# KiCad board smd-tht-adapter.kicad_pcb (continued)
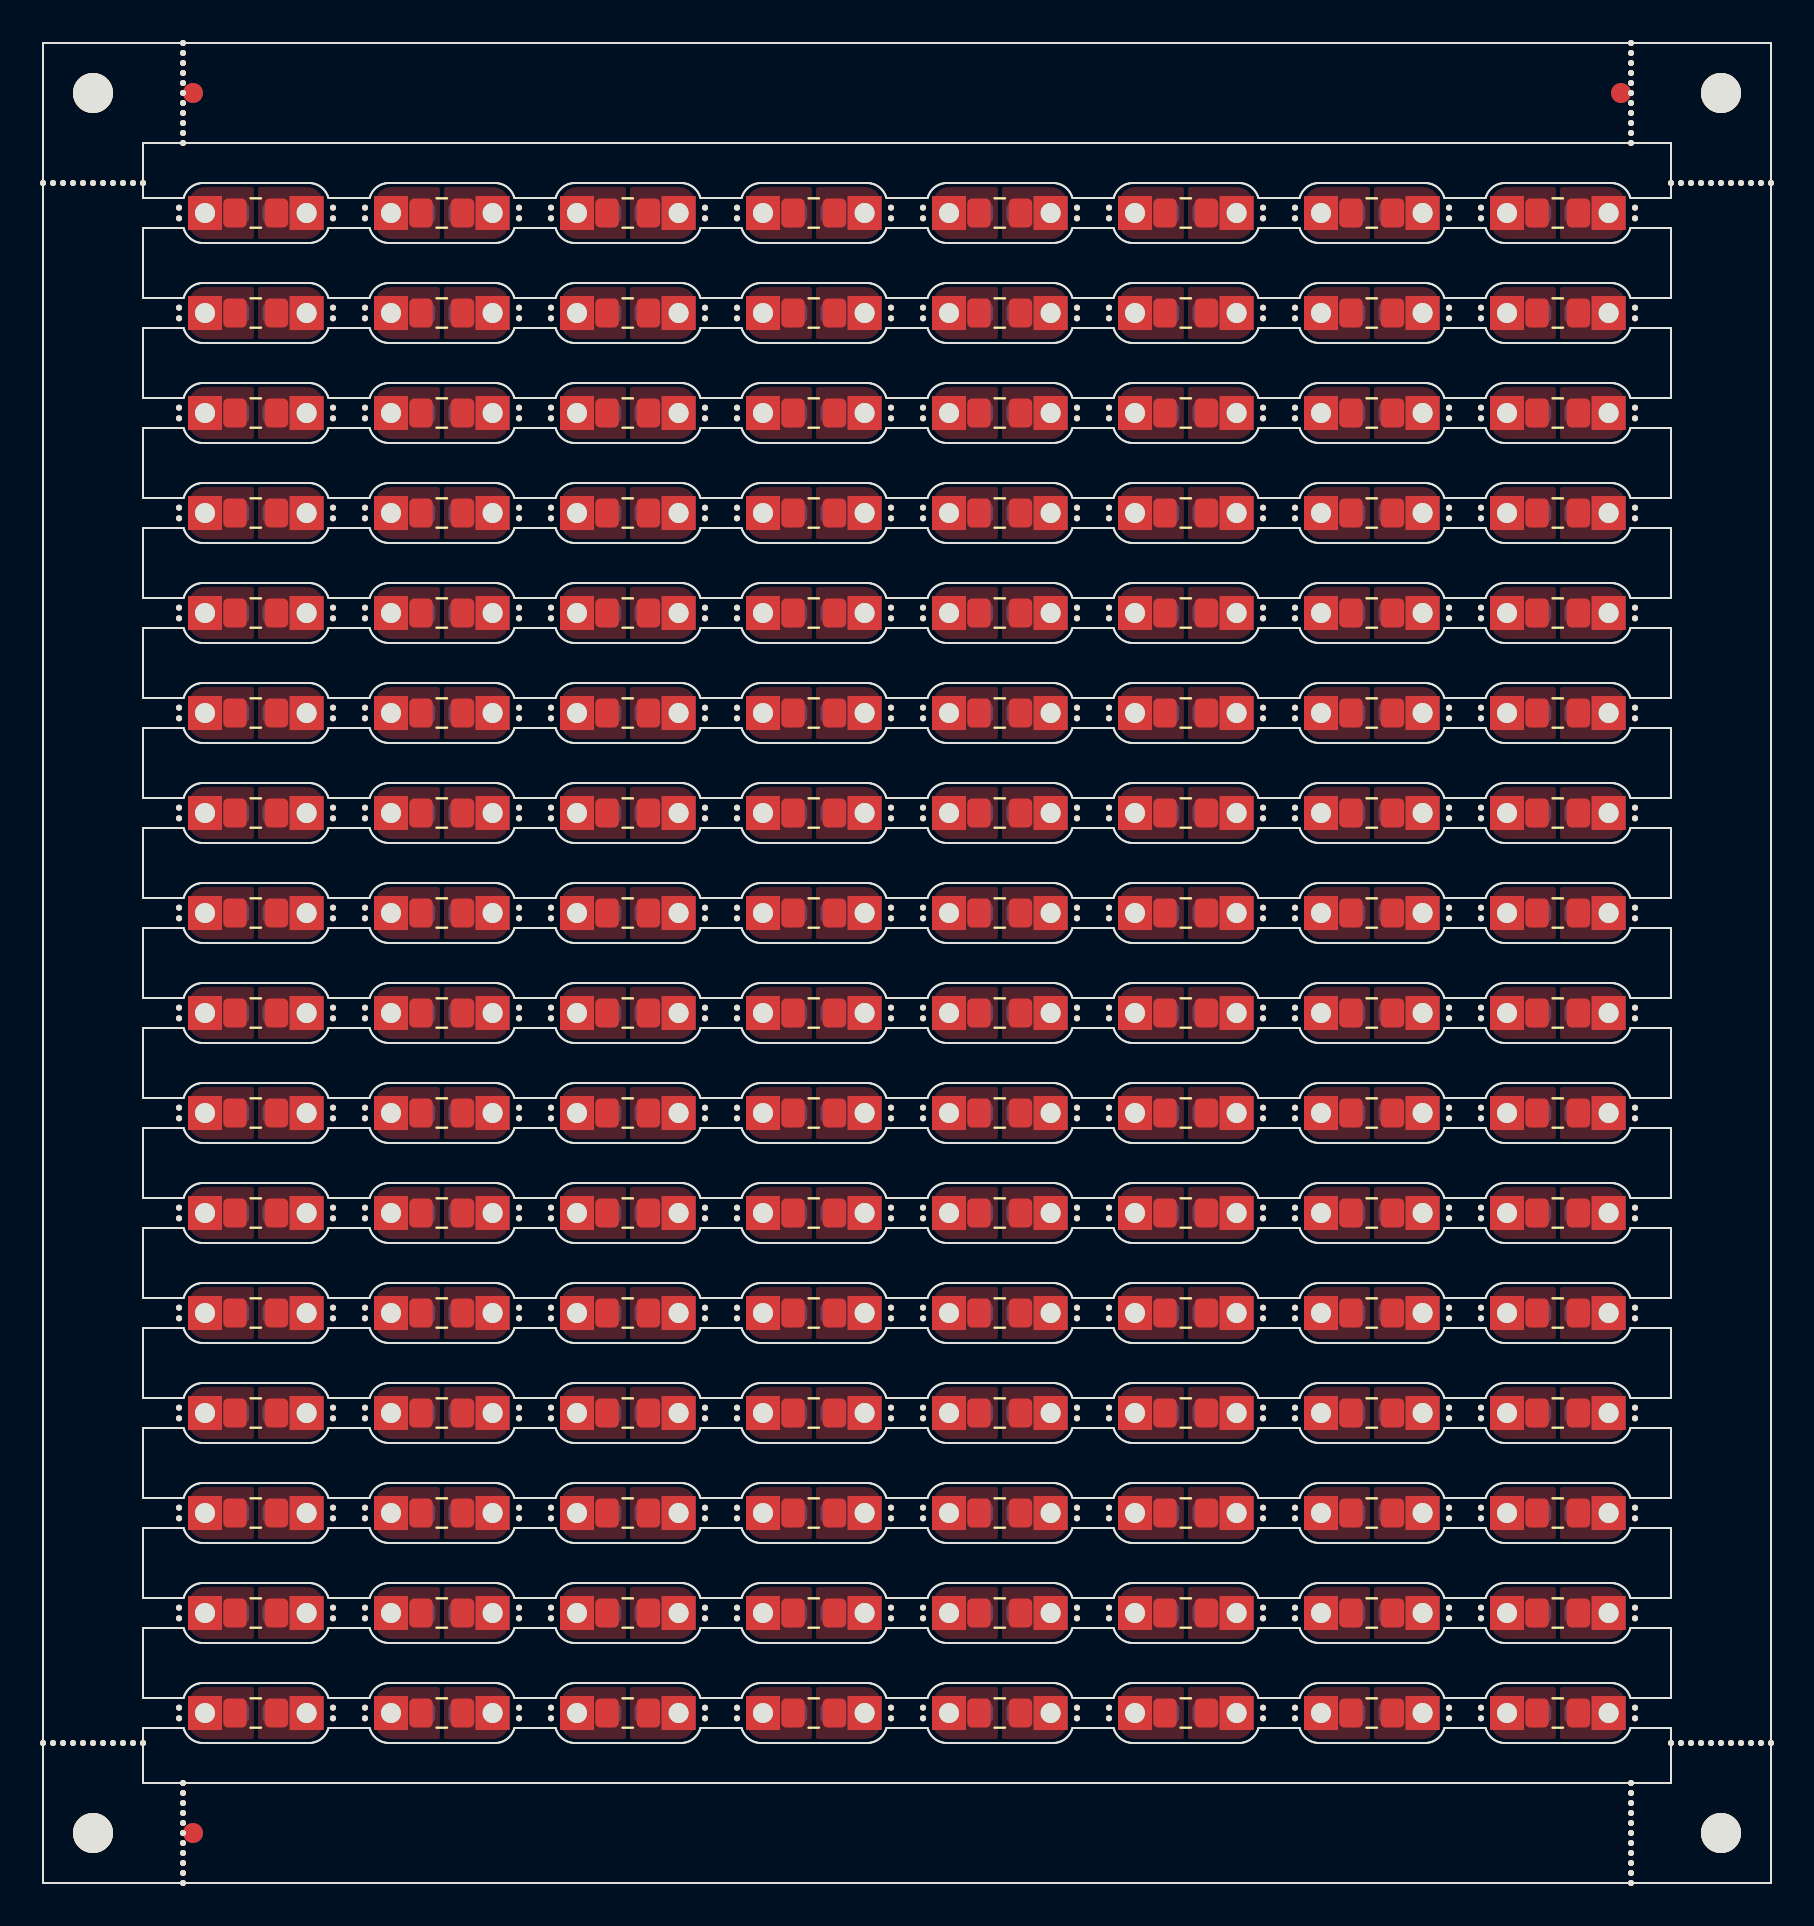
[diagram p0: board, top side]
## Nets (continued)
Board_97-Net-(J1-Pin_1): C1#114.1 C2#67.1 J1#21.1
Board_97-Net-(J2-Pin_1): C1#114.2 C2#67.2 J2#66.1
Board_98-Net-(J1-Pin_1): C1#40.1 C2#55.1 J1#107.1
Board_98-Net-(J2-Pin_1): C1#40.2 C2#55.2 J2#89.1
Board_99-Net-(J1-Pin_1): C1#21.1 C2#86.1 J1#117.1
Board_99-Net-(J2-Pin_1): C1#21.2 C2#86.2 J2#115.1
Board_100-Net-(J1-Pin_1): C1#61.1 C2#5.1 J1#113.1
Board_100-Net-(J2-Pin_1): C1#61.2 C2#5.2 J2#30.1
Board_101-Net-(J1-Pin_1): C1#26.1 C2#42.1 J1#74.1
Board_101-Net-(J2-Pin_1): C1#26.2 C2#42.2 J2#81.1
Board_102-Net-(J1-Pin_1): C1#11.1 C2#116.1 J1#103.1
Board_102-Net-(J2-Pin_1): C1#11.2 C2#116.2 J2#75.1
Board_103-Net-(J1-Pin_1): C1#47.1 C2#87.1 J1#10.1
Board_103-Net-(J2-Pin_1): C1#47.2 C2#87.2 J2#125.1
Board_104-Net-(J1-Pin_1): C1#15.1 C2#117.1 J1#7.1
Board_104-Net-(J2-Pin_1): C1#15.2 C2#117.2 J2#56.1
Board_105-Net-(J1-Pin_1): C1#37.1 C2#14.1 J1#14.1
Board_105-Net-(J2-Pin_1): C1#37.2 C2#14.2 J2#117.1
Board_106-Net-(J1-Pin_1): C1#63.1 C2#19.1 J1#97.1
Board_106-Net-(J2-Pin_1): C1#63.2 C2#19.2 J2#65.1
Board_107-Net-(J1-Pin_1): C1#59.1 C2#66.1 J1#37.1
Board_107-Net-(J2-Pin_1): C1#59.2 C2#66.2 J2#6.1
Board_108-Net-(J1-Pin_1): C1#28.1 C2#107.1 J1#52.1
Board_108-Net-(J2-Pin_1): C1#28.2 C2#107.2 J2#97.1
Board_109-Net-(J1-Pin_1): C1#92.1 C2#109.1 J1#18.1
Board_109-Net-(J2-Pin_1): C1#92.2 C2#109.2 J2#86.1
Board_110-Net-(J1-Pin_1): C1#24.1 C2#37.1 J1#72.1
Board_110-Net-(J2-Pin_1): C1#24.2 C2#37.2 J2#49.1
Board_111-Net-(J1-Pin_1): C1#100.1 C2#56.1 J1.1
Board_111-Net-(J2-Pin_1): C1#100.2 C2#56.2 J2#119.1
Board_112-Net-(J1-Pin_1): C1#22.1 C2#79.1 J1#25.1
Board_112-Net-(J2-Pin_1): C1#22.2 C2#79.2 J2#80.1
Board_113-Net-(J1-Pin_1): C1#42.1 C2#46.1 J1#79.1
Board_113-Net-(J2-Pin_1): C1#42.2 C2#46.2 J2#41.1
Board_114-Net-(J1-Pin_1): C1#93.1 C2#57.1 J1#114.1
Board_114-Net-(J2-Pin_1): C1#93.2 C2#57.2 J2#126.1
Board_115-Net-(J1-Pin_1): C1#64.1 C2#112.1 J1#44.1
Board_115-Net-(J2-Pin_1): C1#64.2 C2#112.2 J2#8.1
Board_116-Net-(J1-Pin_1): C1#78.1 C2#74.1 J1#24.1
Board_116-Net-(J2-Pin_1): C1#78.2 C2#74.2 J2#83.1
Board_117-Net-(J1-Pin_1): C1#102.1 C2#104.1 J1#67.1
Board_117-Net-(J2-Pin_1): C1#102.2 C2#104.2 J2#70.1
Board_118-Net-(J1-Pin_1): C1#44.1 C2#62.1 J1#63.1
Board_118-Net-(J2-Pin_1): C1#44.2 C2#62.2 J2#121.1
Board_119-Net-(J1-Pin_1): C1#105.1 C2#128.1 J1#61.1
Board_119-Net-(J2-Pin_1): C1#105.2 C2#128.2 J2#34.1
Board_120-Net-(J1-Pin_1): C1#96.1 C2#84.1 J1#57.1
Board_120-Net-(J2-Pin_1): C1#96.2 C2#84.2 J2#78.1
Board_121-Net-(J1-Pin_1): C1#87.1 C2#44.1 J1#90.1
Board_121-Net-(J2-Pin_1): C1#87.2 C2#44.2 J2#50.1
Board_122-Net-(J1-Pin_1): C1#89.1 C2#25.1 J1#88.1
Board_122-Net-(J2-Pin_1): C1#89.2 C2#25.2 J2#7.1
Board_123-Net-(J1-Pin_1): C1#79.1 C2#65.1 J1#27.1
Board_123-Net-(J2-Pin_1): C1#79.2 C2#65.2 J2#82.1
Board_124-Net-(J1-Pin_1): C1#113.1 C2#103.1 J1#104.1
Board_124-Net-(J2-Pin_1): C1#113.2 C2#103.2 J2#91.1
Board_125-Net-(J1-Pin_1): C1#124.1 C2#123.1 J1#126.1
Board_125-Net-(J2-Pin_1): C1#124.2 C2#123.2 J2#2.1
Board_126-Net-(J1-Pin_1): C1#68.1 C2#88.1 J1#42.1
Board_126-Net-(J2-Pin_1): C1#68.2 C2#88.2 J2#57.1
Board_127-Net-(J1-Pin_1): C1#112.1 C2#72.1 J1#95.1
Board_127-Net-(J2-Pin_1): C1#112.2 C2#72.2 J2#22.1

## Copper pours and planes (outline as drawn; the poured copper is in the pictures)
Board_0-Net-(J1-Pin_1) on Top, Bottom: 10.55,85.4 10.55,81.6 6.6,81.6 6.6,85.4
Board_0-Net-(J2-Pin_1) on Top, Bottom: 10.75,81.6 10.75,85.4 14.7,85.4 14.7,81.6
Board_1-Net-(J1-Pin_1) on Top, Bottom: 19.85,85.4 19.85,81.6 15.9,81.6 15.9,85.4
Board_1-Net-(J2-Pin_1) on Top, Bottom: 20.05,81.6 20.05,85.4 24,85.4 24,81.6
Board_2-Net-(J1-Pin_1) on Top, Bottom: 29.15,85.4 29.15,81.6 25.2,81.6 25.2,85.4
Board_2-Net-(J2-Pin_1) on Top, Bottom: 29.35,81.6 29.35,85.4 33.3,85.4 33.3,81.6
Board_3-Net-(J1-Pin_1) on Top, Bottom: 38.45,85.4 38.45,81.6 34.5,81.6 34.5,85.4
Board_3-Net-(J2-Pin_1) on Top, Bottom: 38.65,81.6 38.65,85.4 42.6,85.4 42.6,81.6
Board_4-Net-(J1-Pin_1) on Top, Bottom: 47.75,85.4 47.75,81.6 43.8,81.6 43.8,85.4
Board_4-Net-(J2-Pin_1) on Top, Bottom: 47.95,81.6 47.95,85.4 51.9,85.4 51.9,81.6
Board_5-Net-(J1-Pin_1) on Top, Bottom: 57.05,85.4 57.05,81.6 53.1,81.6 53.1,85.4
Board_5-Net-(J2-Pin_1) on Top, Bottom: 57.25,81.6 57.25,85.4 61.2,85.4 61.2,81.6
Board_6-Net-(J1-Pin_1) on Top, Bottom: 66.35,85.4 66.35,81.6 62.4,81.6 62.4,85.4
Board_6-Net-(J2-Pin_1) on Top, Bottom: 66.55,81.6 66.55,85.4 70.5,85.4 70.5,81.6
Board_7-Net-(J1-Pin_1) on Top, Bottom: 75.65,85.4 75.65,81.6 71.7,81.6 71.7,85.4
Board_7-Net-(J2-Pin_1) on Top, Bottom: 75.85,81.6 75.85,85.4 79.8,85.4 79.8,81.6
Board_8-Net-(J1-Pin_1) on Top, Bottom: 10.55,80.4 10.55,76.6 6.6,76.6 6.6,80.4
Board_8-Net-(J2-Pin_1) on Top, Bottom: 10.75,76.6 10.75,80.4 14.7,80.4 14.7,76.6
Board_9-Net-(J1-Pin_1) on Top, Bottom: 19.85,80.4 19.85,76.6 15.9,76.6 15.9,80.4
Board_9-Net-(J2-Pin_1) on Top, Bottom: 20.05,76.6 20.05,80.4 24,80.4 24,76.6
Board_10-Net-(J1-Pin_1) on Top, Bottom: 29.15,80.4 29.15,76.6 25.2,76.6 25.2,80.4
Board_10-Net-(J2-Pin_1) on Top, Bottom: 29.35,76.6 29.35,80.4 33.3,80.4 33.3,76.6
Board_11-Net-(J1-Pin_1) on Top, Bottom: 38.45,80.4 38.45,76.6 34.5,76.6 34.5,80.4
Board_11-Net-(J2-Pin_1) on Top, Bottom: 38.65,76.6 38.65,80.4 42.6,80.4 42.6,76.6
Board_12-Net-(J1-Pin_1) on Top, Bottom: 47.75,80.4 47.75,76.6 43.8,76.6 43.8,80.4
Board_12-Net-(J2-Pin_1) on Top, Bottom: 47.95,76.6 47.95,80.4 51.9,80.4 51.9,76.6
Board_13-Net-(J1-Pin_1) on Top, Bottom: 57.05,80.4 57.05,76.6 53.1,76.6 53.1,80.4
Board_13-Net-(J2-Pin_1) on Top, Bottom: 57.25,76.6 57.25,80.4 61.2,80.4 61.2,76.6
Board_14-Net-(J1-Pin_1) on Top, Bottom: 66.35,80.4 66.35,76.6 62.4,76.6 62.4,80.4
Board_14-Net-(J2-Pin_1) on Top, Bottom: 66.55,76.6 66.55,80.4 70.5,80.4 70.5,76.6
Board_15-Net-(J1-Pin_1) on Top, Bottom: 75.65,80.4 75.65,76.6 71.7,76.6 71.7,80.4
Board_15-Net-(J2-Pin_1) on Top, Bottom: 75.85,76.6 75.85,80.4 79.8,80.4 79.8,76.6
Board_16-Net-(J1-Pin_1) on Top, Bottom: 10.55,75.4 10.55,71.6 6.6,71.6 6.6,75.4
Board_16-Net-(J2-Pin_1) on Top, Bottom: 10.75,71.6 10.75,75.4 14.7,75.4 14.7,71.6
Board_17-Net-(J1-Pin_1) on Top, Bottom: 19.85,75.4 19.85,71.6 15.9,71.6 15.9,75.4
Board_17-Net-(J2-Pin_1) on Top, Bottom: 20.05,71.6 20.05,75.4 24,75.4 24,71.6
Board_18-Net-(J1-Pin_1) on Top, Bottom: 29.15,75.4 29.15,71.6 25.2,71.6 25.2,75.4
Board_18-Net-(J2-Pin_1) on Top, Bottom: 29.35,71.6 29.35,75.4 33.3,75.4 33.3,71.6
Board_19-Net-(J1-Pin_1) on Top, Bottom: 38.45,75.4 38.45,71.6 34.5,71.6 34.5,75.4
Board_19-Net-(J2-Pin_1) on Top, Bottom: 38.65,71.6 38.65,75.4 42.6,75.4 42.6,71.6
Board_20-Net-(J1-Pin_1) on Top, Bottom: 47.75,75.4 47.75,71.6 43.8,71.6 43.8,75.4
Board_20-Net-(J2-Pin_1) on Top, Bottom: 47.95,71.6 47.95,75.4 51.9,75.4 51.9,71.6
Board_21-Net-(J1-Pin_1) on Top, Bottom: 57.05,75.4 57.05,71.6 53.1,71.6 53.1,75.4
Board_21-Net-(J2-Pin_1) on Top, Bottom: 57.25,71.6 57.25,75.4 61.2,75.4 61.2,71.6
Board_22-Net-(J1-Pin_1) on Top, Bottom: 66.35,75.4 66.35,71.6 62.4,71.6 62.4,75.4
Board_22-Net-(J2-Pin_1) on Top, Bottom: 66.55,71.6 66.55,75.4 70.5,75.4 70.5,71.6
Board_23-Net-(J1-Pin_1) on Top, Bottom: 75.65,75.4 75.65,71.6 71.7,71.6 71.7,75.4
Board_23-Net-(J2-Pin_1) on Top, Bottom: 75.85,71.6 75.85,75.4 79.8,75.4 79.8,71.6
Board_24-Net-(J1-Pin_1) on Top, Bottom: 10.55,70.4 10.55,66.6 6.6,66.6 6.6,70.4
Board_24-Net-(J2-Pin_1) on Top, Bottom: 10.75,66.6 10.75,70.4 14.7,70.4 14.7,66.6
Board_25-Net-(J1-Pin_1) on Top, Bottom: 19.85,70.4 19.85,66.6 15.9,66.6 15.9,70.4
Board_25-Net-(J2-Pin_1) on Top, Bottom: 20.05,66.6 20.05,70.4 24,70.4 24,66.6
Board_26-Net-(J1-Pin_1) on Top, Bottom: 29.15,70.4 29.15,66.6 25.2,66.6 25.2,70.4
Board_26-Net-(J2-Pin_1) on Top, Bottom: 29.35,66.6 29.35,70.4 33.3,70.4 33.3,66.6
Board_27-Net-(J1-Pin_1) on Top, Bottom: 38.45,70.4 38.45,66.6 34.5,66.6 34.5,70.4
Board_27-Net-(J2-Pin_1) on Top, Bottom: 38.65,66.6 38.65,70.4 42.6,70.4 42.6,66.6
Board_28-Net-(J1-Pin_1) on Top, Bottom: 47.75,70.4 47.75,66.6 43.8,66.6 43.8,70.4
Board_28-Net-(J2-Pin_1) on Top, Bottom: 47.95,66.6 47.95,70.4 51.9,70.4 51.9,66.6
Board_29-Net-(J1-Pin_1) on Top, Bottom: 57.05,70.4 57.05,66.6 53.1,66.6 53.1,70.4
Board_29-Net-(J2-Pin_1) on Top, Bottom: 57.25,66.6 57.25,70.4 61.2,70.4 61.2,66.6
Board_30-Net-(J1-Pin_1) on Top, Bottom: 66.35,70.4 66.35,66.6 62.4,66.6 62.4,70.4
Board_30-Net-(J2-Pin_1) on Top, Bottom: 66.55,66.6 66.55,70.4 70.5,70.4 70.5,66.6
Board_31-Net-(J1-Pin_1) on Top, Bottom: 75.65,70.4 75.65,66.6 71.7,66.6 71.7,70.4
Board_31-Net-(J2-Pin_1) on Top, Bottom: 75.85,66.6 75.85,70.4 79.8,70.4 79.8,66.6
Board_32-Net-(J1-Pin_1) on Top, Bottom: 10.55,65.4 10.55,61.6 6.6,61.6 6.6,65.4
Board_32-Net-(J2-Pin_1) on Top, Bottom: 10.75,61.6 10.75,65.4 14.7,65.4 14.7,61.6
Board_33-Net-(J1-Pin_1) on Top, Bottom: 19.85,65.4 19.85,61.6 15.9,61.6 15.9,65.4
Board_33-Net-(J2-Pin_1) on Top, Bottom: 20.05,61.6 20.05,65.4 24,65.4 24,61.6
Board_34-Net-(J1-Pin_1) on Top, Bottom: 29.15,65.4 29.15,61.6 25.2,61.6 25.2,65.4
Board_34-Net-(J2-Pin_1) on Top, Bottom: 29.35,61.6 29.35,65.4 33.3,65.4 33.3,61.6
Board_35-Net-(J1-Pin_1) on Top, Bottom: 38.45,65.4 38.45,61.6 34.5,61.6 34.5,65.4
Board_35-Net-(J2-Pin_1) on Top, Bottom: 38.65,61.6 38.65,65.4 42.6,65.4 42.6,61.6
Board_36-Net-(J1-Pin_1) on Top, Bottom: 47.75,65.4 47.75,61.6 43.8,61.6 43.8,65.4
Board_36-Net-(J2-Pin_1) on Top, Bottom: 47.95,61.6 47.95,65.4 51.9,65.4 51.9,61.6
Board_37-Net-(J1-Pin_1) on Top, Bottom: 57.05,65.4 57.05,61.6 53.1,61.6 53.1,65.4
Board_37-Net-(J2-Pin_1) on Top, Bottom: 57.25,61.6 57.25,65.4 61.2,65.4 61.2,61.6
Board_38-Net-(J1-Pin_1) on Top, Bottom: 66.35,65.4 66.35,61.6 62.4,61.6 62.4,65.4
Board_38-Net-(J2-Pin_1) on Top, Bottom: 66.55,61.6 66.55,65.4 70.5,65.4 70.5,61.6
Board_39-Net-(J1-Pin_1) on Top, Bottom: 75.65,65.4 75.65,61.6 71.7,61.6 71.7,65.4
Board_39-Net-(J2-Pin_1) on Top, Bottom: 75.85,61.6 75.85,65.4 79.8,65.4 79.8,61.6
Board_40-Net-(J1-Pin_1) on Top, Bottom: 10.55,60.4 10.55,56.6 6.6,56.6 6.6,60.4
Board_40-Net-(J2-Pin_1) on Top, Bottom: 10.75,56.6 10.75,60.4 14.7,60.4 14.7,56.6
Board_41-Net-(J1-Pin_1) on Top, Bottom: 19.85,60.4 19.85,56.6 15.9,56.6 15.9,60.4
Board_41-Net-(J2-Pin_1) on Top, Bottom: 20.05,56.6 20.05,60.4 24,60.4 24,56.6
Board_42-Net-(J1-Pin_1) on Top, Bottom: 29.15,60.4 29.15,56.6 25.2,56.6 25.2,60.4
Board_42-Net-(J2-Pin_1) on Top, Bottom: 29.35,56.6 29.35,60.4 33.3,60.4 33.3,56.6
Board_43-Net-(J1-Pin_1) on Top, Bottom: 38.45,60.4 38.45,56.6 34.5,56.6 34.5,60.4
Board_43-Net-(J2-Pin_1) on Top, Bottom: 38.65,56.6 38.65,60.4 42.6,60.4 42.6,56.6
Board_44-Net-(J1-Pin_1) on Top, Bottom: 47.75,60.4 47.75,56.6 43.8,56.6 43.8,60.4
Board_44-Net-(J2-Pin_1) on Top, Bottom: 47.95,56.6 47.95,60.4 51.9,60.4 51.9,56.6
Board_45-Net-(J1-Pin_1) on Top, Bottom: 57.05,60.4 57.05,56.6 53.1,56.6 53.1,60.4
Board_45-Net-(J2-Pin_1) on Top, Bottom: 57.25,56.6 57.25,60.4 61.2,60.4 61.2,56.6
Board_46-Net-(J1-Pin_1) on Top, Bottom: 66.35,60.4 66.35,56.6 62.4,56.6 62.4,60.4
Board_46-Net-(J2-Pin_1) on Top, Bottom: 66.55,56.6 66.55,60.4 70.5,60.4 70.5,56.6
Board_47-Net-(J1-Pin_1) on Top, Bottom: 75.65,60.4 75.65,56.6 71.7,56.6 71.7,60.4
Board_47-Net-(J2-Pin_1) on Top, Bottom: 75.85,56.6 75.85,60.4 79.8,60.4 79.8,56.6
Board_48-Net-(J1-Pin_1) on Top, Bottom: 10.55,55.4 10.55,51.6 6.6,51.6 6.6,55.4
Board_48-Net-(J2-Pin_1) on Top, Bottom: 10.75,51.6 10.75,55.4 14.7,55.4 14.7,51.6
Board_49-Net-(J1-Pin_1) on Top, Bottom: 19.85,55.4 19.85,51.6 15.9,51.6 15.9,55.4
Board_49-Net-(J2-Pin_1) on Top, Bottom: 20.05,51.6 20.05,55.4 24,55.4 24,51.6
Board_50-Net-(J1-Pin_1) on Top, Bottom: 29.15,55.4 29.15,51.6 25.2,51.6 25.2,55.4
Board_50-Net-(J2-Pin_1) on Top, Bottom: 29.35,51.6 29.35,55.4 33.3,55.4 33.3,51.6
Board_51-Net-(J1-Pin_1) on Top, Bottom: 38.45,55.4 38.45,51.6 34.5,51.6 34.5,55.4
Board_51-Net-(J2-Pin_1) on Top, Bottom: 38.65,51.6 38.65,55.4 42.6,55.4 42.6,51.6
Board_52-Net-(J1-Pin_1) on Top, Bottom: 47.75,55.4 47.75,51.6 43.8,51.6 43.8,55.4
Board_52-Net-(J2-Pin_1) on Top, Bottom: 47.95,51.6 47.95,55.4 51.9,55.4 51.9,51.6
Board_53-Net-(J1-Pin_1) on Top, Bottom: 57.05,55.4 57.05,51.6 53.1,51.6 53.1,55.4
Board_53-Net-(J2-Pin_1) on Top, Bottom: 57.25,51.6 57.25,55.4 61.2,55.4 61.2,51.6
Board_54-Net-(J1-Pin_1) on Top, Bottom: 66.35,55.4 66.35,51.6 62.4,51.6 62.4,55.4
Board_54-Net-(J2-Pin_1) on Top, Bottom: 66.55,51.6 66.55,55.4 70.5,55.4 70.5,51.6
Board_55-Net-(J1-Pin_1) on Top, Bottom: 75.65,55.4 75.65,51.6 71.7,51.6 71.7,55.4
Board_55-Net-(J2-Pin_1) on Top, Bottom: 75.85,51.6 75.85,55.4 79.8,55.4 79.8,51.6
Board_56-Net-(J1-Pin_1) on Top, Bottom: 10.55,50.4 10.55,46.6 6.6,46.6 6.6,50.4
Board_56-Net-(J2-Pin_1) on Top, Bottom: 10.75,46.6 10.75,50.4 14.7,50.4 14.7,46.6
Board_57-Net-(J1-Pin_1) on Top, Bottom: 19.85,50.4 19.85,46.6 15.9,46.6 15.9,50.4
Board_57-Net-(J2-Pin_1) on Top, Bottom: 20.05,46.6 20.05,50.4 24,50.4 24,46.6
Board_58-Net-(J1-Pin_1) on Top, Bottom: 29.15,50.4 29.15,46.6 25.2,46.6 25.2,50.4
Board_58-Net-(J2-Pin_1) on Top, Bottom: 29.35,46.6 29.35,50.4 33.3,50.4 33.3,46.6
Board_59-Net-(J1-Pin_1) on Top, Bottom: 38.45,50.4 38.45,46.6 34.5,46.6 34.5,50.4
Board_59-Net-(J2-Pin_1) on Top, Bottom: 38.65,46.6 38.65,50.4 42.6,50.4 42.6,46.6
Board_60-Net-(J1-Pin_1) on Top, Bottom: 47.75,50.4 47.75,46.6 43.8,46.6 43.8,50.4
Board_60-Net-(J2-Pin_1) on Top, Bottom: 47.95,46.6 47.95,50.4 51.9,50.4 51.9,46.6
Board_61-Net-(J1-Pin_1) on Top, Bottom: 57.05,50.4 57.05,46.6 53.1,46.6 53.1,50.4
Board_61-Net-(J2-Pin_1) on Top, Bottom: 57.25,46.6 57.25,50.4 61.2,50.4 61.2,46.6
Board_62-Net-(J1-Pin_1) on Top, Bottom: 66.35,50.4 66.35,46.6 62.4,46.6 62.4,50.4
Board_62-Net-(J2-Pin_1) on Top, Bottom: 66.55,46.6 66.55,50.4 70.5,50.4 70.5,46.6
Board_63-Net-(J1-Pin_1) on Top, Bottom: 75.65,50.4 75.65,46.6 71.7,46.6 71.7,50.4
Board_63-Net-(J2-Pin_1) on Top, Bottom: 75.85,46.6 75.85,50.4 79.8,50.4 79.8,46.6
Board_64-Net-(J1-Pin_1) on Top, Bottom: 10.55,45.4 10.55,41.6 6.6,41.6 6.6,45.4
Board_64-Net-(J2-Pin_1) on Top, Bottom: 10.75,41.6 10.75,45.4 14.7,45.4 14.7,41.6
Board_65-Net-(J1-Pin_1) on Top, Bottom: 19.85,45.4 19.85,41.6 15.9,41.6 15.9,45.4
Board_65-Net-(J2-Pin_1) on Top, Bottom: 20.05,41.6 20.05,45.4 24,45.4 24,41.6
Board_66-Net-(J1-Pin_1) on Top, Bottom: 29.15,45.4 29.15,41.6 25.2,41.6 25.2,45.4
Board_66-Net-(J2-Pin_1) on Top, Bottom: 29.35,41.6 29.35,45.4 33.3,45.4 33.3,41.6
Board_67-Net-(J1-Pin_1) on Top, Bottom: 38.45,45.4 38.45,41.6 34.5,41.6 34.5,45.4
Board_67-Net-(J2-Pin_1) on Top, Bottom: 38.65,41.6 38.65,45.4 42.6,45.4 42.6,41.6
Board_68-Net-(J1-Pin_1) on Top, Bottom: 47.75,45.4 47.75,41.6 43.8,41.6 43.8,45.4
Board_68-Net-(J2-Pin_1) on Top, Bottom: 47.95,41.6 47.95,45.4 51.9,45.4 51.9,41.6
Board_69-Net-(J1-Pin_1) on Top, Bottom: 57.05,45.4 57.05,41.6 53.1,41.6 53.1,45.4
Board_69-Net-(J2-Pin_1) on Top, Bottom: 57.25,41.6 57.25,45.4 61.2,45.4 61.2,41.6
Board_70-Net-(J1-Pin_1) on Top, Bottom: 66.35,45.4 66.35,41.6 62.4,41.6 62.4,45.4
Board_70-Net-(J2-Pin_1) on Top, Bottom: 66.55,41.6 66.55,45.4 70.5,45.4 70.5,41.6
Board_71-Net-(J1-Pin_1) on Top, Bottom: 75.65,45.4 75.65,41.6 71.7,41.6 71.7,45.4
Board_71-Net-(J2-Pin_1) on Top, Bottom: 75.85,41.6 75.85,45.4 79.8,45.4 79.8,41.6
Board_72-Net-(J1-Pin_1) on Top, Bottom: 10.55,40.4 10.55,36.6 6.6,36.6 6.6,40.4
Board_72-Net-(J2-Pin_1) on Top, Bottom: 10.75,36.6 10.75,40.4 14.7,40.4 14.7,36.6
Board_73-Net-(J1-Pin_1) on Top, Bottom: 19.85,40.4 19.85,36.6 15.9,36.6 15.9,40.4
Board_73-Net-(J2-Pin_1) on Top, Bottom: 20.05,36.6 20.05,40.4 24,40.4 24,36.6
Board_74-Net-(J1-Pin_1) on Top, Bottom: 29.15,40.4 29.15,36.6 25.2,36.6 25.2,40.4
Board_74-Net-(J2-Pin_1) on Top, Bottom: 29.35,36.6 29.35,40.4 33.3,40.4 33.3,36.6
Board_75-Net-(J1-Pin_1) on Top, Bottom: 38.45,40.4 38.45,36.6 34.5,36.6 34.5,40.4
Board_75-Net-(J2-Pin_1) on Top, Bottom: 38.65,36.6 38.65,40.4 42.6,40.4 42.6,36.6
Board_76-Net-(J1-Pin_1) on Top, Bottom: 47.75,40.4 47.75,36.6 43.8,36.6 43.8,40.4
Board_76-Net-(J2-Pin_1) on Top, Bottom: 47.95,36.6 47.95,40.4 51.9,40.4 51.9,36.6
Board_77-Net-(J1-Pin_1) on Top, Bottom: 57.05,40.4 57.05,36.6 53.1,36.6 53.1,40.4
Board_77-Net-(J2-Pin_1) on Top, Bottom: 57.25,36.6 57.25,40.4 61.2,40.4 61.2,36.6
Board_78-Net-(J1-Pin_1) on Top, Bottom: 66.35,40.4 66.35,36.6 62.4,36.6 62.4,40.4
Board_78-Net-(J2-Pin_1) on Top, Bottom: 66.55,36.6 66.55,40.4 70.5,40.4 70.5,36.6
Board_79-Net-(J1-Pin_1) on Top, Bottom: 75.65,40.4 75.65,36.6 71.7,36.6 71.7,40.4
Board_79-Net-(J2-Pin_1) on Top, Bottom: 75.85,36.6 75.85,40.4 79.8,40.4 79.8,36.6
Board_80-Net-(J1-Pin_1) on Top, Bottom: 10.55,35.4 10.55,31.6 6.6,31.6 6.6,35.4
Board_80-Net-(J2-Pin_1) on Top, Bottom: 10.75,31.6 10.75,35.4 14.7,35.4 14.7,31.6
Board_81-Net-(J1-Pin_1) on Top, Bottom: 19.85,35.4 19.85,31.6 15.9,31.6 15.9,35.4
Board_81-Net-(J2-Pin_1) on Top, Bottom: 20.05,31.6 20.05,35.4 24,35.4 24,31.6
Board_82-Net-(J1-Pin_1) on Top, Bottom: 29.15,35.4 29.15,31.6 25.2,31.6 25.2,35.4
Board_82-Net-(J2-Pin_1) on Top, Bottom: 29.35,31.6 29.35,35.4 33.3,35.4 33.3,31.6
Board_83-Net-(J1-Pin_1) on Top, Bottom: 38.45,35.4 38.45,31.6 34.5,31.6 34.5,35.4
Board_83-Net-(J2-Pin_1) on Top, Bottom: 38.65,31.6 38.65,35.4 42.6,35.4 42.6,31.6
Board_84-Net-(J1-Pin_1) on Top, Bottom: 47.75,35.4 47.75,31.6 43.8,31.6 43.8,35.4
Board_84-Net-(J2-Pin_1) on Top, Bottom: 47.95,31.6 47.95,35.4 51.9,35.4 51.9,31.6
Board_85-Net-(J1-Pin_1) on Top, Bottom: 57.05,35.4 57.05,31.6 53.1,31.6 53.1,35.4
Board_85-Net-(J2-Pin_1) on Top, Bottom: 57.25,31.6 57.25,35.4 61.2,35.4 61.2,31.6
Board_86-Net-(J1-Pin_1) on Top, Bottom: 66.35,35.4 66.35,31.6 62.4,31.6 62.4,35.4
Board_86-Net-(J2-Pin_1) on Top, Bottom: 66.55,31.6 66.55,35.4 70.5,35.4 70.5,31.6
Board_87-Net-(J1-Pin_1) on Top, Bottom: 75.65,35.4 75.65,31.6 71.7,31.6 71.7,35.4
Board_87-Net-(J2-Pin_1) on Top, Bottom: 75.85,31.6 75.85,35.4 79.8,35.4 79.8,31.6
Board_88-Net-(J1-Pin_1) on Top, Bottom: 10.55,30.4 10.55,26.6 6.6,26.6 6.6,30.4
Board_88-Net-(J2-Pin_1) on Top, Bottom: 10.75,26.6 10.75,30.4 14.7,30.4 14.7,26.6
Board_89-Net-(J1-Pin_1) on Top, Bottom: 19.85,30.4 19.85,26.6 15.9,26.6 15.9,30.4
Board_89-Net-(J2-Pin_1) on Top, Bottom: 20.05,26.6 20.05,30.4 24,30.4 24,26.6
Board_90-Net-(J1-Pin_1) on Top, Bottom: 29.15,30.4 29.15,26.6 25.2,26.6 25.2,30.4
Board_90-Net-(J2-Pin_1) on Top, Bottom: 29.35,26.6 29.35,30.4 33.3,30.4 33.3,26.6
Board_91-Net-(J1-Pin_1) on Top, Bottom: 38.45,30.4 38.45,26.6 34.5,26.6 34.5,30.4
Board_91-Net-(J2-Pin_1) on Top, Bottom: 38.65,26.6 38.65,30.4 42.6,30.4 42.6,26.6
Board_92-Net-(J1-Pin_1) on Top, Bottom: 47.75,30.4 47.75,26.6 43.8,26.6 43.8,30.4
Board_92-Net-(J2-Pin_1) on Top, Bottom: 47.95,26.6 47.95,30.4 51.9,30.4 51.9,26.6
Board_93-Net-(J1-Pin_1) on Top, Bottom: 57.05,30.4 57.05,26.6 53.1,26.6 53.1,30.4
Board_93-Net-(J2-Pin_1) on Top, Bottom: 57.25,26.6 57.25,30.4 61.2,30.4 61.2,26.6
Board_94-Net-(J1-Pin_1) on Top, Bottom: 66.35,30.4 66.35,26.6 62.4,26.6 62.4,30.4
Board_94-Net-(J2-Pin_1) on Top, Bottom: 66.55,26.6 66.55,30.4 70.5,30.4 70.5,26.6
Board_95-Net-(J1-Pin_1) on Top, Bottom: 75.65,30.4 75.65,26.6 71.7,26.6 71.7,30.4
Board_95-Net-(J2-Pin_1) on Top, Bottom: 75.85,26.6 75.85,30.4 79.8,30.4 79.8,26.6
Board_96-Net-(J1-Pin_1) on Top, Bottom: 10.55,25.4 10.55,21.6 6.6,21.6 6.6,25.4
Board_96-Net-(J2-Pin_1) on Top, Bottom: 10.75,21.6 10.75,25.4 14.7,25.4 14.7,21.6
Board_97-Net-(J1-Pin_1) on Top, Bottom: 19.85,25.4 19.85,21.6 15.9,21.6 15.9,25.4
Board_97-Net-(J2-Pin_1) on Top, Bottom: 20.05,21.6 20.05,25.4 24,25.4 24,21.6
Board_98-Net-(J1-Pin_1) on Top, Bottom: 29.15,25.4 29.15,21.6 25.2,21.6 25.2,25.4
Board_98-Net-(J2-Pin_1) on Top, Bottom: 29.35,21.6 29.35,25.4 33.3,25.4 33.3,21.6
Board_99-Net-(J1-Pin_1) on Top, Bottom: 38.45,25.4 38.45,21.6 34.5,21.6 34.5,25.4
Board_99-Net-(J2-Pin_1) on Top, Bottom: 38.65,21.6 38.65,25.4 42.6,25.4 42.6,21.6
Board_100-Net-(J1-Pin_1) on Top, Bottom: 47.75,25.4 47.75,21.6 43.8,21.6 43.8,25.4
Board_100-Net-(J2-Pin_1) on Top, Bottom: 47.95,21.6 47.95,25.4 51.9,25.4 51.9,21.6
Board_101-Net-(J1-Pin_1) on Top, Bottom: 57.05,25.4 57.05,21.6 53.1,21.6 53.1,25.4
Board_101-Net-(J2-Pin_1) on Top, Bottom: 57.25,21.6 57.25,25.4 61.2,25.4 61.2,21.6
Board_102-Net-(J1-Pin_1) on Top, Bottom: 66.35,25.4 66.35,21.6 62.4,21.6 62.4,25.4
Board_102-Net-(J2-Pin_1) on Top, Bottom: 66.55,21.6 66.55,25.4 70.5,25.4 70.5,21.6
Board_103-Net-(J1-Pin_1) on Top, Bottom: 75.65,25.4 75.65,21.6 71.7,21.6 71.7,25.4
Board_103-Net-(J2-Pin_1) on Top, Bottom: 75.85,21.6 75.85,25.4 79.8,25.4 79.8,21.6
Board_104-Net-(J1-Pin_1) on Top, Bottom: 10.55,20.4 10.55,16.6 6.6,16.6 6.6,20.4
Board_104-Net-(J2-Pin_1) on Top, Bottom: 10.75,16.6 10.75,20.4 14.7,20.4 14.7,16.6
Board_105-Net-(J1-Pin_1) on Top, Bottom: 19.85,20.4 19.85,16.6 15.9,16.6 15.9,20.4
Board_105-Net-(J2-Pin_1) on Top, Bottom: 20.05,16.6 20.05,20.4 24,20.4 24,16.6
Board_106-Net-(J1-Pin_1) on Top, Bottom: 29.15,20.4 29.15,16.6 25.2,16.6 25.2,20.4
Board_106-Net-(J2-Pin_1) on Top, Bottom: 29.35,16.6 29.35,20.4 33.3,20.4 33.3,16.6
Board_107-Net-(J1-Pin_1) on Top, Bottom: 38.45,20.4 38.45,16.6 34.5,16.6 34.5,20.4
Board_107-Net-(J2-Pin_1) on Top, Bottom: 38.65,16.6 38.65,20.4 42.6,20.4 42.6,16.6
Board_108-Net-(J1-Pin_1) on Top, Bottom: 47.75,20.4 47.75,16.6 43.8,16.6 43.8,20.4
Board_108-Net-(J2-Pin_1) on Top, Bottom: 47.95,16.6 47.95,20.4 51.9,20.4 51.9,16.6
Board_109-Net-(J1-Pin_1) on Top, Bottom: 57.05,20.4 57.05,16.6 53.1,16.6 53.1,20.4
Board_109-Net-(J2-Pin_1) on Top, Bottom: 57.25,16.6 57.25,20.4 61.2,20.4 61.2,16.6
Board_110-Net-(J1-Pin_1) on Top, Bottom: 66.35,20.4 66.35,16.6 62.4,16.6 62.4,20.4
Board_110-Net-(J2-Pin_1) on Top, Bottom: 66.55,16.6 66.55,20.4 70.5,20.4 70.5,16.6
Board_111-Net-(J1-Pin_1) on Top, Bottom: 75.65,20.4 75.65,16.6 71.7,16.6 71.7,20.4
Board_111-Net-(J2-Pin_1) on Top, Bottom: 75.85,16.6 75.85,20.4 79.8,20.4 79.8,16.6
Board_112-Net-(J1-Pin_1) on Top, Bottom: 10.55,15.4 10.55,11.6 6.6,11.6 6.6,15.4
Board_112-Net-(J2-Pin_1) on Top, Bottom: 10.75,11.6 10.75,15.4 14.7,15.4 14.7,11.6
Board_113-Net-(J1-Pin_1) on Top, Bottom: 19.85,15.4 19.85,11.6 15.9,11.6 15.9,15.4
Board_113-Net-(J2-Pin_1) on Top, Bottom: 20.05,11.6 20.05,15.4 24,15.4 24,11.6
Board_114-Net-(J1-Pin_1) on Top, Bottom: 29.15,15.4 29.15,11.6 25.2,11.6 25.2,15.4
Board_114-Net-(J2-Pin_1) on Top, Bottom: 29.35,11.6 29.35,15.4 33.3,15.4 33.3,11.6
Board_115-Net-(J1-Pin_1) on Top, Bottom: 38.45,15.4 38.45,11.6 34.5,11.6 34.5,15.4
Board_115-Net-(J2-Pin_1) on Top, Bottom: 38.65,11.6 38.65,15.4 42.6,15.4 42.6,11.6
Board_116-Net-(J1-Pin_1) on Top, Bottom: 47.75,15.4 47.75,11.6 43.8,11.6 43.8,15.4
Board_116-Net-(J2-Pin_1) on Top, Bottom: 47.95,11.6 47.95,15.4 51.9,15.4 51.9,11.6
Board_117-Net-(J1-Pin_1) on Top, Bottom: 57.05,15.4 57.05,11.6 53.1,11.6 53.1,15.4
Board_117-Net-(J2-Pin_1) on Top, Bottom: 57.25,11.6 57.25,15.4 61.2,15.4 61.2,11.6
Board_118-Net-(J1-Pin_1) on Top, Bottom: 66.35,15.4 66.35,11.6 62.4,11.6 62.4,15.4
Board_118-Net-(J2-Pin_1) on Top, Bottom: 66.55,11.6 66.55,15.4 70.5,15.4 70.5,11.6
Board_119-Net-(J1-Pin_1) on Top, Bottom: 75.65,15.4 75.65,11.6 71.7,11.6 71.7,15.4
Board_119-Net-(J2-Pin_1) on Top, Bottom: 75.85,11.6 75.85,15.4 79.8,15.4 79.8,11.6
Board_120-Net-(J1-Pin_1) on Top, Bottom: 10.55,10.4 10.55,6.6 6.6,6.6 6.6,10.4
Board_120-Net-(J2-Pin_1) on Top, Bottom: 10.75,6.6 10.75,10.4 14.7,10.4 14.7,6.6
Board_121-Net-(J1-Pin_1) on Top, Bottom: 19.85,10.4 19.85,6.6 15.9,6.6 15.9,10.4
Board_121-Net-(J2-Pin_1) on Top, Bottom: 20.05,6.6 20.05,10.4 24,10.4 24,6.6
Board_122-Net-(J1-Pin_1) on Top, Bottom: 29.15,10.4 29.15,6.6 25.2,6.6 25.2,10.4
Board_122-Net-(J2-Pin_1) on Top, Bottom: 29.35,6.6 29.35,10.4 33.3,10.4 33.3,6.6
Board_123-Net-(J1-Pin_1) on Top, Bottom: 38.45,10.4 38.45,6.6 34.5,6.6 34.5,10.4
Board_123-Net-(J2-Pin_1) on Top, Bottom: 38.65,6.6 38.65,10.4 42.6,10.4 42.6,6.6
Board_124-Net-(J1-Pin_1) on Top, Bottom: 47.75,10.4 47.75,6.6 43.8,6.6 43.8,10.4
Board_124-Net-(J2-Pin_1) on Top, Bottom: 47.95,6.6 47.95,10.4 51.9,10.4 51.9,6.6
Board_125-Net-(J1-Pin_1) on Top, Bottom: 57.05,10.4 57.05,6.6 53.1,6.6 53.1,10.4
Board_125-Net-(J2-Pin_1) on Top, Bottom: 57.25,6.6 57.25,10.4 61.2,10.4 61.2,6.6
Board_126-Net-(J1-Pin_1) on Top, Bottom: 66.35,10.4 66.35,6.6 62.4,6.6 62.4,10.4
Board_126-Net-(J2-Pin_1) on Top, Bottom: 66.55,6.6 66.55,10.4 70.5,10.4 70.5,6.6
Board_127-Net-(J1-Pin_1) on Top, Bottom: 75.65,10.4 75.65,6.6 71.7,6.6 71.7,10.4
Board_127-Net-(J2-Pin_1) on Top, Bottom: 75.85,6.6 75.85,10.4 79.8,10.4 79.8,6.6
